# Altium PCB PCB.PcbDoc (part 2 of 2)
Units mm, origin at the board's own origin, x right, y up, seen from the top; angles counter-clockwise.
Board outline 135 x 90 mm, 2 copper layers (Top Layer, Bottom Layer); 93 components, 90 nets, 362 pads, 222 vias.
Unrouted connection lines stored in the file: 4.
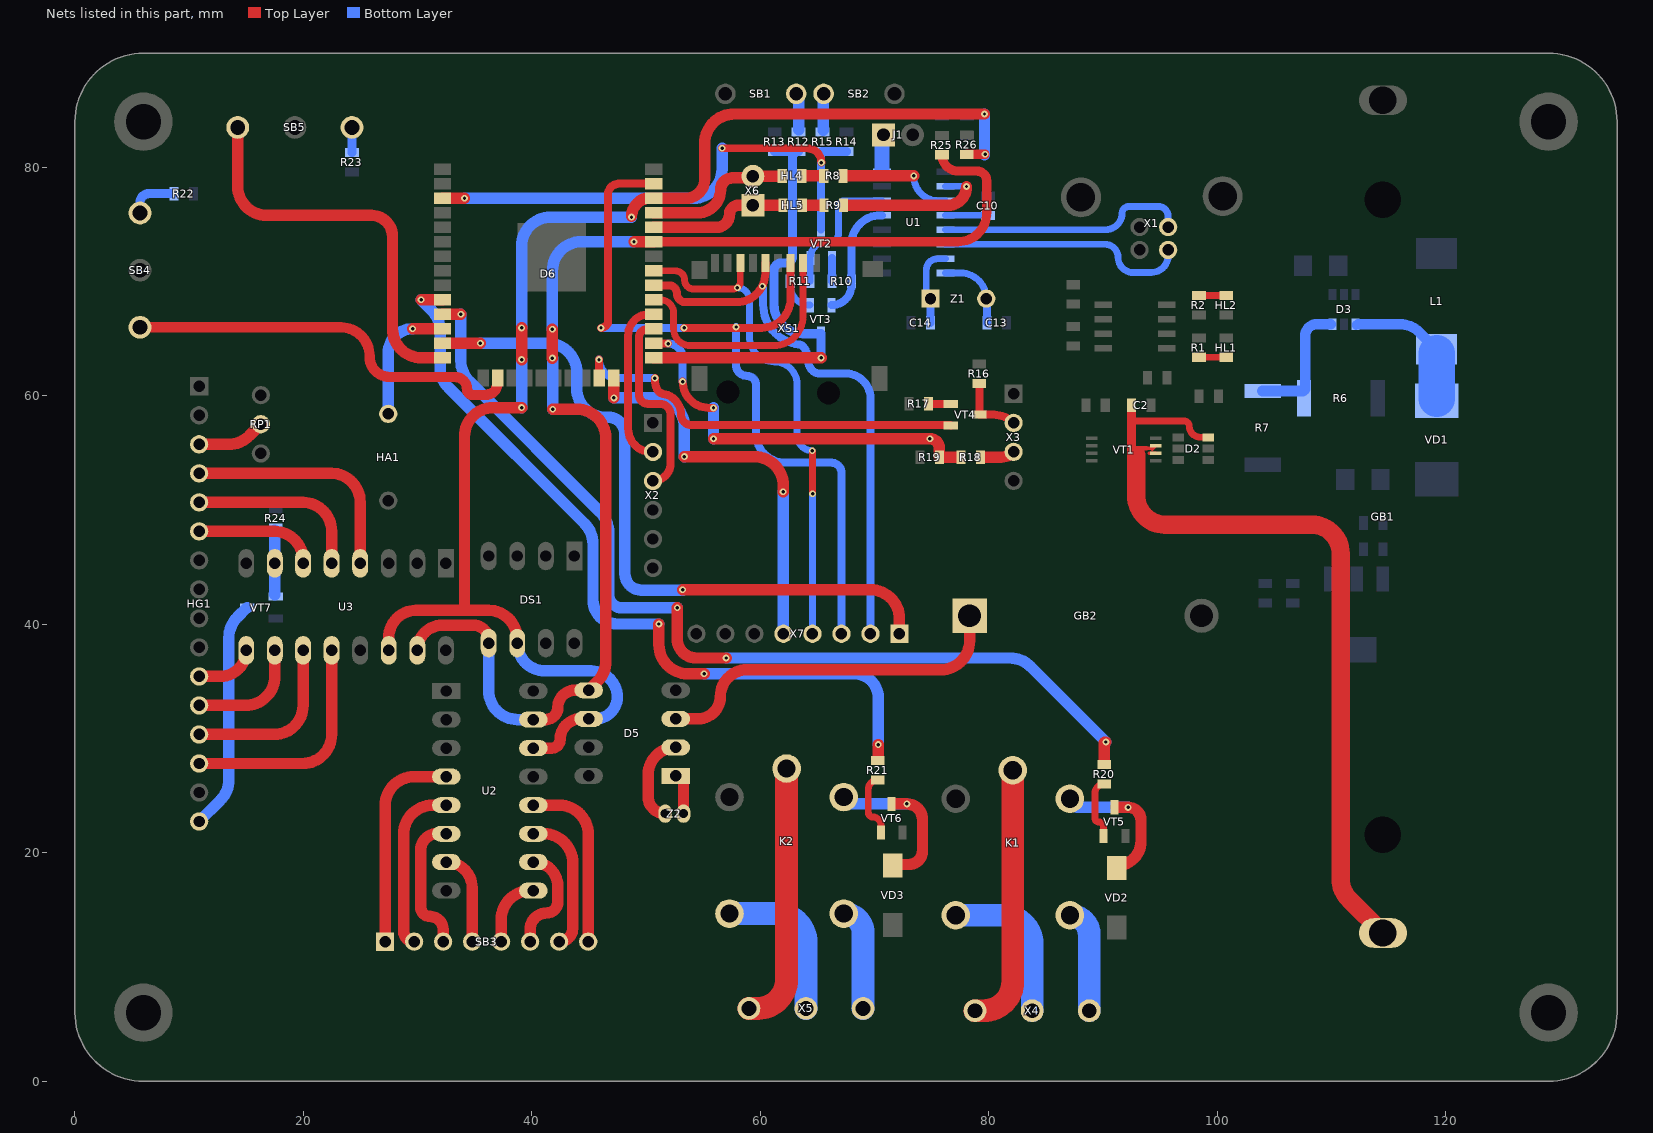
[diagram p2: the nets of this part, all layers, seen from the top]

## Via types
v1: diameter 0.6, hole 0.3, Top Layer to Bottom Layer, 159 vias
v2: diameter 0.6, hole 0.3, Top Layer to Bottom Layer, tented both sides, 60 vias
v3: diameter 1.2, hole 0.6, Top Layer to Bottom Layer, tented both sides, 3 vias

## Nets (pads, with @x,y where several pads share a name; then routed paths per layer and width w, separated by ;. In a path a pad name is that pad's centre, name@x,y a point inside that pad or via, vN(x,y) a via of type N, cw(c..) or ccw(c..) an arc to the next point about the centre after c; other vN are vias at no path point) (continued)
NetD2_6: D2.6 GB1.1 VT1.2 VT1.3 С2.1 | length 73
  Top Layer w0.3: 94.037,54.975 VT1.2@94.6,54.975 ; 94.037,55.409 94.247,55.409 94.315,55.34 VT1.3@94.6,55.625
  Top Layer w0.4: 92.902,55.407 93.843,55.407
  Top Layer w0.6: 92.5,57.8 97.1,57.8 cw(c97.1,57.35) 97.55,57.35 ccw(c98.525,57.35) 98.525,56.375 D2.6@99.2,56.375
  Top Layer w0.8: 92.5,54.824 92.5,57.8 С2.1@92.5,59.175
  Top Layer w1.6: 92.902,54.797 92.902,51.265 ccw(c95.442,51.265) 95.442,48.725 108.26,48.725 cw(c108.26,46.185) 110.8,46.185 110.8,17.727 ccw(c113.34,17.727) 111.544,15.931 GB1.1@114.5,12.975
NetD3_1: D3.1 L1.1 VD1.1 | length 11.9
  Bottom Layer w0.6: D3.1@112.1,66.275 112.1,66.125 D3.1@112.15,66.075
  Bottom Layer w0.9: D3.1@112.342,66.275 115.948,66.275 cw(c115.948,63.735) 117.744,65.531 L1.1@119.2,64.075
  Bottom Layer w3.2: VD1.1@119.2,59.748 L1.1@119.2,63.735
NetD3_3: D3.3 R6.1 R7.1 | length 11.4
  Bottom Layer w0.6: D3.3@109.964,66.268 D3.3@110.05,66.225
  Bottom Layer w0.9: R6.1@107.6,60.55 ccw(c107.6,60.65) 107.7,60.65 107.7,65.25 cw(c108.725,65.25) 108.725,66.275 D3.3@109.964,66.268
  Bottom Layer w1: R7.1@104,60.425 107.475,60.425 R6.1@107.6,60.55
NetD5_1: D5.1 Z2.2 | length 3.7
  Top Layer w1: D5.1@52.595,26.725 cw(c52.595,26.045) 53.275,26.045 Z2.2@53.275,23.425
NetD5_2: D5.2 Z2.1 | length 8
  Top Layer w1: Z2.1@51.675,23.425 cw(c51.675,24.925) 50.175,24.925 50.175,26.805 cw(c52.595,26.805) D5.2@52.595,29.225
NetD5_3: D5.3 GB2.2 | length 31.8
  Top Layer w1: D5.3@52.595,31.725 54.55,31.725 ccw(c54.55,33.675) 56.5,33.675 cw(c58.85,33.675) 58.85,36.025 75.784,36.025 ccw(c75.784,38.565) 78.324,38.565 GB2.2@78.324,40.75
NetD5_5: D5.5 D6.33 DS1.5 R25.2 U2.15 U3.15 | length 114
  Top Layer w0.8: D6.33@50.675,73.487 77.285,73.487 ccw(c77.285,76.027) 79.825,76.027 79.825,78.8 ccw(c78.95,78.8) 78.95,79.675 77.325,79.675 cw(c77.325,81.1) R25.2@75.9,81.1
  Top Layer w1: U3.15@29.972,37.718 cw(c32.179,37.718) 32.179,39.925 34.875,39.925 cw(c34.875,38.579) 36.221,38.579 DS1.5@36.221,38.359 ; U2.15@40.137,31.663 41.213,31.663 ccw(c41.213,32.725) 42.275,32.725 cw(c43.775,32.725) 43.775,34.225 D5.5@44.975,34.225 45.731,34.981 ccw(c43.935,36.777) 46.475,36.777 46.475,56.285 ccw(c43.935,56.285) 43.935,58.825 v2(41.825,58.825) ; v2(41.8,63.3) v2(41.8,65.825) ; v2(48.944,73.487) D6.33@50.675,73.487
  Bottom Layer w1: DS1.5@36.221,38.359 36.221,34.203 ccw(c38.761,34.203) 38.761,31.663 U2.15@40.137,31.663 ; v2(41.8,65.825) 41.8,70.947 cw(c44.34,70.947) 44.34,73.487 v2(48.944,73.487) ; v2(41.825,58.825) v2@41.825,63.3
NetD5_6: D5.6 D6.36 DS1.6 R26.2 U2.14 U3.14 | length 126.3
  Top Layer w0.8: R26.2@78.075,81.125 cw(c78.1,81.125) 78.1,81.15 v2(79.675,81.15)
  Top Layer w1: U3.14@27.472,37.718 27.472,38.822 cw(c29.875,38.822) 29.875,41.225 34.1,41.225 ; DS1.6@38.721,38.359 38.721,38.685 ccw(c36.181,38.685) 36.181,41.225 34.1,41.225 ; v2(39.1,58.975) 36.64,58.975 ccw(c36.64,56.435) 34.1,56.435 34.1,41.225 ; v2(39.1,63.175) v2(39.1,65.95) ; U2.14@40.137,29.163 41.713,29.163 ccw(c41.713,29.925) 42.475,29.925 cw(c44.275,29.925) 44.275,31.725 D5.6@44.975,31.725 ; v2@48.725,75.7 cw(c50.323,75.7) 49.393,76.999 ccw(c48.811,77.812) 49.466,77.057 cw(c49.925,76.528) 49.798,77.216 ccw(c49.617,78.2) 49.889,77.237 cw(c50.323,75.7) 50.323,77.297 D6.36@50.675,77.297 53.473,77.297 ccw(c53.473,78.95) 55.125,78.95 55.125,82.085 cw(c57.715,82.085) 57.715,84.675 v2(79.625,84.675)
  Bottom Layer w1: DS1.6@38.721,38.359 ccw(c41.155,38.359) 41.155,35.925 45.175,35.925 cw(c45.175,33.625) 47.475,33.625 cw(c45.575,33.625) 45.575,31.725 D5.6@44.975,31.725 ; v2(39.1,58.975) v2(39.1,63.175) ; v2(39.1,65.95) 39.1,73.11 cw(c41.64,73.11) 41.64,75.65 v2(48.725,75.65) ; v2@79.625,81.1 v2(79.625,84.675)
NetD6_3: D6.3 R14.1 R15.1 VT2.3 | length 46.2
  Top Layer w0.7: v2(56.65,81.675) 64.092,81.675 cw(c64.092,80.424) v2(65.343,80.424)
  Top Layer w1: D6.3@32.184,77.297 34.1,77.297 v2(34.1,77.3)
  Bottom Layer w0.7: VT2.3@65.325,74.574 65.325,81.277 cw(c65.445,81.277) 65.327,81.298 cw(c65.445,81.277) 65.332,81.318 cw(c65.445,81.277) 65.341,81.337 cw(c65.445,81.277) 65.353,81.354 cw(c65.445,81.277) 65.368,81.369 cw(c65.445,81.277) 65.385,81.381 cw(c65.445,81.277) 65.404,81.39 cw(c65.445,81.277) 65.424,81.395 cw(c65.445,81.277) R15.1@65.445,81.397
  Bottom Layer w0.8: R15.1@65.445,81.397 R14.1@67.545,81.397
  Bottom Layer w1: v2(34.1,77.3) 54.11,77.3 ccw(c54.11,79.84) 56.65,79.84 v2(56.65,81.675)
NetD6_10: D6.10 R21.1 | length 70
  Top Layer w1: v2(30.308,68.407) D6.10@32.184,68.407 ; v2(51.125,40.025) 51.125,38.215 ccw(c53.665,38.215) 53.665,35.675 v2(55.075,35.675) ; R21.1@70.325,28.239 v2(70.325,29.475)
  Bottom Layer w1: v2(30.308,68.407) 31.231,67.484 cw(c29.435,65.688) 31.975,65.688 31.975,62.45 ccw(c34.389,62.45) 32.682,60.743 44.606,48.819 cw(c42.81,47.023) 45.35,47.023 45.35,42.127 ccw(c47.452,42.127) 47.452,40.025 v2(51.125,40.025) ; v2(55.075,35.675) 68.21,35.675 cw(c68.21,33.56) 70.325,33.56 v2(70.325,29.475)
NetD6_11: D6.11 R20.1 | length 83.9
  Top Layer w1: D6.11@32.184,67.137 v2(33.787,67.137) ; v2(52.725,41.45) 52.725,38.725 ccw(c54.4,38.725) 54.4,37.05 v2(57,37.05) ; R20.1@90.109,27.977 90.109,29.559 cw(c90.25,29.559) v2(90.25,29.7)
  Bottom Layer w1: v2(33.787,67.137) 33.787,63.064 ccw(c36.327,63.064) 34.531,61.268 45.981,49.819 cw(c44.185,48.023) 46.725,48.023 46.725,42.6 ccw(c47.875,42.6) 47.875,41.45 v2(52.725,41.45) ; v2(57,37.05) 81.848,37.05 cw(c81.848,34.51) 83.644,36.306 v2(90.25,29.7)
NetD6_12: D6.12 HA1.1 | length 11.3
  Top Layer w1: v2(29.557,65.867) D6.12@32.184,65.867
  Bottom Layer w1: HA1.1@27.425,58.425 27.425,63.735 cw(c29.557,63.735) v2(29.557,65.867)
NetD6_13: D6.13 X7.1 | length 60.9
  Top Layer w1: D6.13@32.184,64.597 35.5,64.597 v2(35.5,64.6) ; v2(53.2,43.025) 69.64,43.025 cw(c69.64,40.485) 72.18,40.485 X7.1@72.18,39.175
  Bottom Layer w1: v2(35.5,64.6) 41.316,64.6 41.316,64.597 cw(c41.385,63.6) 41.385,64.6 cw(c41.385,62.06) 43.925,62.06 43.925,60.665 ccw(c46.465,60.665) 46.465,58.125 46.675,58.125 cw(c46.675,56.65) 48.15,56.65 48.15,44.425 ccw(c49.575,44.425) 49.575,43 v2@53.2,43
NetD6_14: D6.14 SB5.1 | length 35.1
  Top Layer w1: SB5.1@14.25,83.5 14.25,78.34 ccw(c16.79,78.34) 16.79,75.8 25.95,75.8 cw(c25.95,73.95) 27.8,73.95 27.8,65.867 ccw(c30.34,65.867) 30.34,63.327 D6.14@32.184,63.327
NetD6_16: D6.16 SB4.1 | length 35.8
  Top Layer w0.9: SB4.1@5.7,66 23.26,66 cw(c23.26,63.46) 25.8,63.46 25.8,63.4 ccw(c27.55,63.4) 27.55,61.65 33.275,61.65 cw(c33.275,60.6) 34.325,60.6 ccw(c34.85,60.6) 34.85,60.075 35.825,60.075 ccw(c35.825,61.26) 36.239,60.149 cw(c36.553,59.306) 36.372,60.188 ccw(c36.24,60.824) 36.87,60.663 cw(c37.742,60.44) 36.914,60.794 ccw(c35.825,61.26) 37.01,61.26 D6.16@37.01,61.575
NetD6_23: D6.23 VT4.1 | length 35.9
  Top Layer w0.7: v2(45.875,63.175) 45.875,61.6 ccw(c45.9,61.6) D6.23@45.9,61.575 ; v2(50.775,61.55) 50.775,61.389 ccw(c52.652,61.389) 50.963,60.571 ccw(c51.594,60.873) 51.492,60.18 cw(c51.225,58.375) 52.652,59.512 cw(c51.225,58.375) 53.05,58.375 ccw(c53.975,58.375) 53.975,57.45 54.75,57.45 76.618,57.45 VT4.1@76.672,57.396
  Bottom Layer w0.7: v2(45.875,63.175) ccw(c47.5,63.175) 47.5,61.55 v2@50.725,61.55
NetD6_24: D6.24 X7.5 | length 35.1
  Top Layer w1: D6.24@47.17,61.575 47.17,59.825 v2(47.175,59.825) ; v2(53.35,54.675) 59.48,54.675 cw(c59.48,52.135) 62.02,52.135 ccw(c62.02,52.115) 62,52.115 v2(62,51.6)
  Bottom Layer w1: v2(47.175,59.825) 50.81,59.825 cw(c50.81,57.285) 53.35,57.285 v2(53.35,54.675) ; X7.5@62,39.175 v2(62,51.6)
NetD6_25: D6.25 R12.1 R13.1 VT3.3 | length 39.2
  Top Layer w1: D6.25@50.675,63.327 65.322,63.327 v2(65.325,63.325)
  Bottom Layer w0.8: R13.1@61.25,81.4 63.345,81.4 R12.1@63.345,81.397 ccw(c63.345,80.877) 62.825,80.877 62.825,72.241 cw(c62.209,72.241) 62.209,71.625 61.825,71.625 ccw(c61.825,71) 61.2,71 61.2,67.98 ccw(c63.74,67.98) 63.74,65.44 VT3.3@65.29,65.44 cw(c65.29,65.405) 65.325,65.405 v2(65.325,63.325)
NetD6_26: D6.26 R18.1 R19.2 | length 34.8
  Top Layer w0.7: D6.26@50.675,64.597 ccw(c50.698,64.597) 50.698,64.575 v2(51.925,64.575) ; v2(53.2,61.25) ccw(c55.5,61.25) 55.5,58.95 v2(55.9,58.95)
  Top Layer w1: v2(55.9,56.25) v2(74.85,56.25) cw(c74.85,55.428) 75.672,55.428 R19.2@75.672,54.636 ; R19.2@75.763,54.636 R18.1@77.455,54.636
  Bottom Layer w0.7: v2(51.925,64.575) cw(c51.925,63.3) 53.2,63.3 v2(53.2,61.25)
  Bottom Layer w1: v2(55.9,56.25) v2(55.9,58.95)
NetD6_27: D6.27 X2.3 | length 17.2
  Top Layer w0.7: 49.375,62.795 49.375,60.1 ccw(c50.175,60.1) 50.175,59.3 51.225,59.3 cw(c51.225,58.375) 52.15,58.375 52.15,54.1 cw(c50.6,54.1) X2.3@50.6,52.55 ; 49.375,62.813 cw(c49.925,62.827) 49.375,62.827 49.375,63.828 cw(c49.925,63.828) 49.375,63.841 ; 49.375,63.856 49.375,64.065 ; 49.375,64.083 cw(c49.925,64.097) 49.375,64.097 49.375,65.098 cw(c50.144,65.098) 50.144,65.867 D6.27@50.675,65.867
NetD6_28: D6.28 X2.2 | length 14.8
  Top Layer w0.7: X2.2@50.6,55.09 50.465,55.09 cw(c50.465,57.13) 48.425,57.13 48.425,65.3 cw(c50.263,65.3) 50.263,67.137 D6.28@50.675,67.137
NetD6_29: D6.29 XS1.2 | length 22.1
  Top Layer w0.6: D6.29@50.675,68.407 51.267,68.407 cw(c51.267,67.275) 52.4,67.275 52.4,65.875 ccw(c53.875,65.875) 53.875,64.4 61.194,64.4 ccw(c61.194,66.94) 63.734,66.94 XS1.2@63.734,71.625
NetD6_30: D6.30 X7.2 XS1.5 | length 49.4
  Top Layer w0.7: D6.30@50.675,69.677 51.972,69.677 cw(c51.972,68.95) 52.7,68.95 ccw(c53.45,68.95) 53.45,68.2 57.892,68.2 ccw(c57.892,70.74) 60.432,70.74 XS1.5@60.432,71.625
  Bottom Layer w0.7: v2(60.175,69.6) cw(c59.55,69.284) 60.25,69.284 60.25,67.98 ccw(c63.74,67.98) 61.731,65.126 ccw(c63.74,67.98) 63.336,64.513 cw(c63.255,63.818) 63.826,64.223 cw(c62.074,62.975) 64.225,62.975 ccw(c65.25,62.975) 65.25,61.95 67.475,61.95 cw(c67.475,59.785) 69.64,59.785 X7.2@69.64,39.175
NetD6_31: D6.31 X7.4 XS1.7 | length 44.5
  Top Layer w0.6: D6.31@50.675,70.947 52.552,70.947 cw(c52.552,70.125) 53.375,70.125 ccw(c54.15,70.125) 54.15,69.35 57.6,69.35 ccw(c57.6,69.998) 58.248,69.998 XS1.7@58.248,71.625 ; v2(64.55,55.2) 64.56,55.2 v2@64.56,51.425
  Bottom Layer w0.6: v2(57.996,69.467) cw(c57.996,68.413) 59.05,68.413 59.05,65.175 ccw(c61.25,65.175) 61.25,62.975 cw(c61.25,61) 63.225,61 63.225,56.525 ccw(c64.55,56.525) v2(64.55,55.2) ; X7.4@64.56,39.175 64.56,51.425 v2(64.575,51.425)
NetD6_34: D6.34 HL5.2 X6.1 | length 12.6
  Top Layer w1: D6.34@50.675,74.757 56.183,74.757 ccw(c56.183,75.875) 57.3,75.875 cw(c58.11,75.875) 58.11,76.685 X6.1@59.35,76.685 59.36,76.675 HL5.2@61.873,76.675
  Bottom Layer w1: X6.1@59.35,76.685 X6.1@59.58,76.915
NetD6_35: D6.35 HL4.1 X6.2 | length 13.1
  Top Layer w1: D6.35@50.675,76.027 54.503,76.027 ccw(c54.503,78.05) 56.525,78.05 cw(c57.55,78.05) 57.55,79.075 59.2,79.075 X6.2@59.35,79.225 HL4.1@61.803,79.225
  Bottom Layer w1: X6.2@59.35,79.225 X6.2@59.46,79.115
NetD6_37: D6.37 X7.3 XS1.3 | length 71.6
  Top Layer w0.7: v2(46.05,65.951) ccw(c46.05,66.576) 46.675,66.576 46.675,77.65 cw(c47.593,77.65) 47.593,78.567 D6.37@50.675,78.567 ; v2(53.323,65.951) 60.102,65.951 ccw(c60.102,68.491) 62.642,68.491 XS1.3@62.642,71.625
  Bottom Layer w0.7: v2(46.05,65.951) v2(53.323,65.951) ; v2(57.875,66.025) 57.875,62.7 ccw(c58.825,62.7) 58.825,61.75 cw(c58.825,60.95) 59.625,60.95 59.625,56.69 ccw(c62.165,56.69) 62.165,54.15 66.21,54.15 cw(c66.21,53.26) 67.1,53.26 X7.3@67.1,39.175
NetHG1_3: HG1.3 RP1.2 | length 6
  Top Layer w1: HG1.3@10.872,55.758 13.46,55.758 ccw(c13.46,58.298) 15.256,56.502 RP1.2@16.272,57.518
NetHG1_4: HG1.4 U3.4 | length 20.9
  Top Layer w1: HG1.4@10.872,53.218 22.432,53.218 cw(c22.432,50.678) 24.972,50.678 U3.4@24.972,45.338
NetHG1_5: HG1.5 U3.5 | length 15.8
  Top Layer w1: HG1.5@10.872,50.678 19.932,50.678 cw(c19.932,48.138) 22.472,48.138 U3.5@22.472,45.338
NetHG1_6: HG1.6 U3.6 | length 10.8
  Top Layer w1: HG1.6@10.872,48.138 17.432,48.138 cw(c17.432,45.598) 19.972,45.598 U3.6@19.972,45.338
NetHG1_11: HG1.11 U3.9 | length 5.4
  Top Layer w1: HG1.11@10.872,35.438 12.717,35.438 ccw(c12.717,37.718) U3.9@14.997,37.718
NetHG1_12: HG1.12 U3.10 | length 10.3
  Top Layer w1: HG1.12@10.872,32.898 14.957,32.898 ccw(c14.957,35.438) 16.308,33.287 ccw(c15.778,34.134) 16.485,33.427 16.967,33.91 ccw(c16.26,34.617) 17.105,34.081 ccw(c14.957,35.438) 17.497,35.438 U3.10@17.497,37.718
NetHG1_13: HG1.13 U3.11 | length 15.4
  Top Layer w1: HG1.13@10.872,30.358 17.432,30.358 ccw(c17.432,32.898) 19.972,32.898 U3.11@19.972,37.718
NetHG1_14: HG1.14 U3.12 | length 20.4
  Top Layer w1: HG1.14@10.872,27.818 19.932,27.818 ccw(c19.932,30.358) 22.472,30.358 U3.12@22.472,37.718
NetHG1_16: HG1.16 VT7.3 | length 20.5
  Bottom Layer w1: HG1.16@11.136,22.738 HG1.16@10.872,22.738 12.731,24.597 ccw(c10.935,26.393) 13.475,26.393 13.475,38.818 cw(c16.015,38.818) 14.219,40.614 VT7.3@15.073,41.468
NetHL1_2: HL1.2 R1.1 | length 2.4
  Top Layer w0.6: R1.1@98.4,63.375 HL1.2@100.8,63.375
NetHL2_2: HL2.2 R2.1 | length 2.4
  Top Layer w0.6: R2.1@98.4,68.775 HL2.2@100.8,68.775
NetHL4_2: HL4.2 R8.1 | length 1.7
  Top Layer w1: HL4.2@63.729,79.25 R8.1@65.432,79.25
NetHL5_1: HL5.1 R9.1 | length 1.7
  Top Layer w1: HL5.1@63.777,76.675 R9.1@65.474,76.675
NetJ1_1: J1.1 U1.16 | length 2.9
  Bottom Layer w0.9: J1.1@70.669,82.733 J1.1@70.785,82.85
  Bottom Layer w1.3: 70.65,80.775 70.652,80.775 ; 70.652,79.961 70.652,80.775 ; J1.1@70.652,82.733 70.652,80.775
NetK1_1: K1.1 VD2.1 VT5.3 | length 14
  Top Layer w0.6: VD2.1@91,18.875 ccw(c91.2,18.875) VD2.1@91.2,18.675
  Top Layer w1: VD2.1@91,18.875 91.175,18.875 ccw(c91.175,21.025) 93.325,21.025 93.325,22.85 ccw(c92.2,22.85) v2(92.2,23.975) VT5.3@91.15,23.975
  Bottom Layer w1: K1.1@87.1,24.725 ccw(c87.851,24.725) 87.851,23.975 v2(92.2,23.975)
NetK1_3: K1.3 X4.3 | length 23.3
  Top Layer w2: X4.3@78.8,6.175 79.559,6.175 ccw(c79.559,8.715) 82.099,8.715 K1.3@82.099,27.225
NetK1_4: K1.4 X4.1 | length 9.3
  Bottom Layer w2: K1.4@87.1,14.525 cw(c87.1,12.825) 88.8,12.825 X4.1@88.8,6.175
NetK1_5: K1.5 X4.2 | length 14
  Bottom Layer w2: K1.5@77.1,14.525 81.26,14.525 cw(c81.26,11.985) 83.8,11.985 X4.2@83.8,6.175
NetK2_1: K2.1 VD3.1 VT6.3 | length 15.4
  Top Layer w0.6: VD3.1@71.5,18.975 ccw(c71.6,18.975) VD3.1@71.6,18.875
  Top Layer w1: VD3.1@71.5,18.975 73,18.975 ccw(c73,20.175) 74.2,20.175 74.2,22.9 ccw(c72.825,22.9) v2(72.825,24.275) VT6.3@71.691,24.275
  Bottom Layer w1: K2.1@67.301,24.875 ccw(c67.902,24.875) 67.902,24.275 v2(72.825,24.275)
NetK2_3: K2.3 X5.3 | length 23.2
  Top Layer w2: X5.3@59,6.375 59.76,6.375 ccw(c59.76,8.915) 62.3,8.915 K2.3@62.3,27.375
NetK2_4: K2.4 X5.1 | length 9.3
  Bottom Layer w2: K2.4@67.301,14.675 cw(c67.301,12.976) 69,12.976 X5.1@69,6.375
NetK2_5: K2.5 X5.2 | length 13.9
  Bottom Layer w2: K2.5@57.301,14.675 61.46,14.675 cw(c61.46,12.135) 64,12.135 X5.2@64,6.375
NetR8_2: R8.2 U1.3 | length 10.1
  Top Layer w1: R8.2@67.377,79.25 v2(73.425,79.25)
  Bottom Layer w0.6: v2(73.425,79.25) ccw(c75.601,79.25) 75.601,77.073 U1.3@76.202,77.073
NetR9_2: R9.2 U1.2 | length 13.5
  Top Layer w1: R9.2@67.392,76.675 76.4,76.675 ccw(c76.4,78.325) v2(78.05,78.325)
  Bottom Layer w0.6: U1.2@76.202,78.343 78.031,78.343 cw(c78.031,78.325) v2(78.05,78.325)
NetR10_1: R10.1 U1.13 VT3.1 | length 10.1
  Bottom Layer w0.7: VT3.1@66.24,67.939 ccw(c66.24,69.674) R10.1@67.975,69.674 ; R10.1@67.975,70.024 67.975,73.263 cw(c70.515,73.263) 70.515,75.803 U1.13@70.652,75.803
NetR10_2: R10.2 VT2.2 | length 2.1
  Bottom Layer w0.7: R10.2@66.275,70.024 VT2.2@66.275,72.075
NetR11_1: R11.1 U1.14 VT2.1 | length 12.2
  Bottom Layer w0.6: R11.1@64.325,70.024 ccw(c64.325,70.074) 64.375,70.074 VT2.1@64.375,72.075 cw(c65.775,72.075) 65.426,73.43 cw(c65.574,72.849) 65.576,73.449 65.675,73.449 ccw(c65.675,73.949) 65.782,73.461 cw(c65.911,72.875) 65.913,73.475 66.125,73.475 ccw(c66.125,74.2) 66.85,74.2 66.85,76.55 cw(c67.374,76.55) 67.374,77.073 U1.14@70.652,77.073
NetR11_2: R11.2 VT3.2 | length 3.1
  Bottom Layer w0.6: R11.2@62.625,70.024 62.625,69.654 ccw(c64.34,69.654) VT3.2@64.34,67.939
NetR12_2: R12.2 SB1.1 | length 3.2
  Bottom Layer w1: SB1.1@63.141,86.439 63.345,86.235 63.345,84.979 ; 63.325,85 cw(c63.325,84.979) 63.345,84.979 ; R12.2@63.345,83.309 63.345,84.979
NetR15_2: R15.2 SB2.1 | length 3.2
  Bottom Layer w1: R15.2@65.5,83.232 SB2.1@65.5,86.439
NetR16_1: R16.1 VT4.3 X3.2 | length 5.9
  Top Layer w0.7: VT4.3@79.171,58.346 80.457,58.346 cw(c80.457,55.922) X3.2@82.172,57.636 ; VT4.3@79.172,58.347 R16.1@79.172,61.096
NetR17_1: R17.1 VT4.2 | length 2
  Top Layer w0.7: R17.1@74.722,59.296 VT4.2@76.672,59.296
NetR18_2: R18.2 X3.3 | length 3.1
  Top Layer w1: R18.2@79.378,54.636 81.061,54.636 ccw(c81.061,56.207) X3.3@82.172,55.096 ccw(c82.075,55) X3.3@82.075,55.136
  Bottom Layer w1: X3.3@82.075,55.136 cw(c82.075,55) X3.3@82.172,55.096
NetR20_2: R20.2 VT5.2 | length 5.4
  Top Layer w0.6: VT5.2@90.05,21.475 90.05,22.25 ccw(c89.6,22.25) 89.6,22.701 cw(c89.6,23) 89.3,23 89.3,25.225 cw(c90.1,25.225) R20.2@90.1,26.025
NetR21_2: R21.2 VT6.2 | length 5.7
  Top Layer w0.6: R21.2@70.275,26.375 ccw(c70.275,25.55) 69.45,25.55 69.45,23.55 ccw(c69.875,23.55) 69.875,23.125 cw(c69.875,22.45) 70.55,22.45 VT6.2@70.55,21.775
NetR22_1: R22.1 SB4.3 | length 4.3
  Bottom Layer w0.8: SB4.3@5.7,76 5.7,76.925 cw(c6.475,76.925) 6.475,77.7 R22.1@8.675,77.7
NetR23_1: R23.1 SB5.3 | length 2.2
  Bottom Layer w0.8: R23.1@24.25,81.3 SB5.3@24.25,83.5
NetR24_2: R24.2 U3.7 VT7.2 | length 5.6
  Bottom Layer w1: VT7.2@17.497,42.599 U3.7@17.497,45.338 R24.2@17.497,48.237
NetSB3_1: SB3.1 U2.4 | length 18.7
  Top Layer w1: SB3.1@27.152,12.218 27.152,24.123 cw(c29.692,24.123) 29.692,26.663 U2.4@32.517,26.663
NetSB3_2: SB3.2 U2.5 | length 15.1
  Top Layer w1: SB3.2@29.692,12.218 cw(c29.692,13.135) 28.775,13.135 28.775,21.623 cw(c31.315,21.623) 31.315,24.163 U2.5@32.517,24.163
NetSB3_3: SB3.3 U2.6 | length 12.2
  Top Layer w1: SB3.3@32.232,12.218 32.232,13.268 ccw(c31.075,13.268) 31.075,14.425 cw(c31.075,15.225) 30.275,15.225 30.275,20.225 cw(c31.713,20.225) 31.713,21.663 U2.6@32.517,21.663
NetSB3_4: SB3.4 U2.7 | length 8.3
  Top Layer w1: U2.7@32.517,19.188 cw(c32.517,16.933) 34.772,16.933 SB3.4@34.772,12.218
NetSB3_5: SB3.5 U2.9 | length 6.2
  Top Layer w1: SB3.5@37.312,12.218 37.312,14.148 cw(c39.852,14.148) 39.852,16.688 U2.9@40.137,16.688
NetSB3_6: SB3.6 U2.10 | length 9.6
  Top Layer w1: SB3.6@39.852,12.218 39.852,13.302 cw(c41.275,13.302) 41.275,14.725 ccw(c41.275,15.725) 42.275,15.725 42.275,17.05 ccw(c40.137,17.05) U2.10@40.137,19.188
NetSB3_7: SB3.7 U2.11 | length 12.5
  Top Layer w1: U2.11@40.137,21.663 41.035,21.663 cw(c41.035,19.123) 43.575,19.123 43.575,13.401 cw(c42.392,13.401) SB3.7@42.392,12.218
NetSB3_8: SB3.8 U2.12 | length 15.7
  Top Layer w1: U2.12@40.137,24.163 42.392,24.163 cw(c42.392,21.623) 44.932,21.623 SB3.8@44.932,12.218
NetU1_4: U1.4 С10.2 | length 3.7
  Bottom Layer w0.6: U1.4@76.202,75.803 79.925,75.803 С10.2@79.925,75.8
NetU1_5: U1.5 X1.3 | length 22.1
  Bottom Layer w0.6: U1.5@76.202,74.543 90.219,74.543 ccw(c90.219,76) 91.675,76 cw(c92.25,76) 92.25,76.575 94.85,76.575 cw(c94.85,75.725) 95.7,75.725 X1.3@95.7,74.775
NetU1_6: U1.6 X1.2 | length 22.3
  Bottom Layer w0.6: U1.6@76.202,73.273 90.151,73.273 cw(c90.151,72.1) 91.325,72.1 ccw(c92.625,72.1) 92.625,70.8 94.225,70.8 ccw(c94.225,72.275) 95.7,72.275 X1.2@95.7,72.775
NetU1_7: U1.7 Z1.1 С14.1 | length 7.1
  Bottom Layer w0.6: Z1.1@74.9,68.512 cw(c74.9,68.887) 74.525,68.887 74.525,71.012 cw(c75.516,71.012) 75.516,72.003 U1.7@76.202,72.003
  Bottom Layer w0.7: Z1.1@74.9,68.512 74.9,66.387 С14.1@74.902,66.387
NetU1_8: C13.1 U1.8 Z1.2 | length 7
  Bottom Layer w0.6: U1.8@76.202,70.753 77.536,70.753 cw(c77.536,68.512) Z1.2@79.777,68.512
  Bottom Layer w0.7: Z1.2@79.777,68.512 cw(c79.777,68.437) 79.852,68.437 C13.1@79.852,66.387
pads on no net: D2.4 D3.6 D4.4 D5.7 D6.4 D6.5 D6.6 D6.7 D6.8 D6.9 D6.17 D6.18 D6.19 D6.20 D6.21 D6.22 D6.32 GB1. HG1.7 HG1.8 HG1.9 HG1.10 U1.9 U1.10 U1.11 U1.12 U1.15 U2.13 U3.13 VT1.1 VT1.8 X2.5 X2.6 X7.7 XS1. XS1.1 XS1.8 XS1.9

## Polygon pours and split planes (outlines as drawn)
GND on Top Layer "Bottom Layer GND" (solid, remove dead copper, pour order 15): -1,90 -1,0 136,0 136,90
NetD2_6 on Top Layer "N" (solid, remove dead copper, pour order 7): 93.702,54.827 93.707,54.827 93.707,57.8 92.655,57.8 92.655,55.651
GND on Bottom Layer "Bottom Layer GND" (solid, remove dead copper, pour order 14): -1,90 -1,0 136,0 136,90

## Keep-outs
Top Layer:
  region: 93.694,56.189
Keep-Out Layer:
  lines w0.5: 27.6,90.019 27.6,80.8 53.95,80.8 53.95,90
  lines w1: 0,6 ccw(c6,6) 6,0 129,0 ccw(c129,6) 135,6 135,84 ccw(c129,84) 129,90 6,90 ccw(c6,84) 0,84 0,6

## Other copper
Top Layer:
  rectangle net NetD2_6: 92.319,54.824 95.097,55.783
  rectangle net NetD1_4: 94.799,67.98 96.354,69.405
  region net NetD2_6: 93.833,56.403
  region net NetD2_6: 68.187,89.184
  region net NetD2_6: 68.187,89.184
  region net NetD2_6: 93.6,58.875
Bottom Layer:
  rectangle net NetD1_5: 109.751,68.375 111.447,70.775

## Silkscreen, mask and mechanical layers (free items; w line width, h text height)
Top Overlay:
  text "BOOT" at 56.8,83.2 h2
  text "RESET" at 65.541,83.1 h2
  text "GND" at 29.272,79.345 h1
  text "GND" at 51.622,79.32 h1
  text "3V3" at 29.372,78.095 h1
  text "IO23" at 51.647,78.045 h1
  text "TX / <<" at 55.241,78.015 h2
  text "EN" at 29.372,76.82 h1
  text "IO22" at 51.622,76.795 h1
  text "VP" at 29.372,75.52 h1
  text "TX0" at 51.622,75.52 h1
  text "RX / >>" at 55.238,75.315 h2
  text "VN" at 29.379,74.265 h1
  text "RX0" at 51.622,74.27 h1
  text "IO34" at 29.372,72.985 h1
  text "IO21" at 51.622,72.995 h1
  text "IO35" at 29.372,71.72 h1
  text "NC" at 51.622,71.72 h1
  text "IO32" at 29.372,70.445 h1
  text "IO19" at 51.622,70.445 h1
  text "IO33" at 29.372,69.195 h1
  text "IO18" at 51.622,69.195 h1
  text "IO5" at 51.597,67.92 h1
  text "IO25" at 29.379,67.902 h1
  text "IO26" at 29.372,66.67 h1
  text "IO17" at 51.612,66.64 h1
  text "IO16" at 51.639,65.396 h1
  text "IO27" at 29.385,65.375 h1
  text "IO14" at 29.38,64.109 h1
  text "IO4" at 51.63,64.101 h1
  text "IO12" at 29.38,62.833 h1
  text "IO0" at 51.612,62.834 h1
  text "GND" at 35.21,60.612 h1 r270
  text "IO13" at 36.48,60.619 h1 r270
  text "SD2" at 37.755,60.619 h1 r270
  text "SD3" at 39.03,60.619 h1 r270
  text "CMD" at 40.297,60.615 h1 r270
  text "CLK" at 41.58,60.619 h1 r270
  text "SD0" at 42.849,60.625 h1 r270
  text "SD1" at 44.111,60.619 h1 r270
  text "IO15" at 45.361,60.619 h1 r270
  text "IO2" at 46.661,60.619 h1 r270
Внутренние Вырезы:
  the board outline again, w1
Mechanical 7:
  text "BOASFORMAT|А4|1|0|883070867|82677165|1000000000|1:1|" at -252.3,2525.175 h0
  text "BOASFORMAT|А4|2|82677165|883070867|165354330|1000000000|1:1|" at -42.3,2525.175 h0
  text "BOASFORMAT|А4|3|165354330|883070867|248031495|1000000000|1:1|" at 167.7,2525.175 h0
  text "DimV|472441|-35433071|152460628|984970582|6899607|-35147638|1||||js12|False|False|False|False" at 134.23,2486.849 h0
  text "DimH|-53169291|78741|155698817|951791448|393701|-6171259|1||||js12|False|False|False|False" at 143.046,2398.02 h0
  text "SET|63|64|65|67|68|69|0,18|0,6|0,18|0,6|0,6|True|1|1|4|2|True|True|True|False|2,2|50|4|100|Rz 160|False|False|57|58|True|False|False|1|ISOCPEUR|False|2|2.5|False|12|5|2" at -252.3,-14.8 h0
  text "TT0011#7. В качестве покрытия контактных площадок использовать оловянно-свинцовый припой ПОС-63" at -252.3,-14.825 h0
  text "TT0010#6. Высота шрифта маркировки 2 мм, но допускаются отклонения" at -252.3,-14.825 h0
  text "TT0009#" at -252.3,-14.825 h0
  text "TT0008#5. Переходные отверстия должны находиться под защитной маской" at -252.3,-14.825 h0
  text "TT0007#" at -252.3,-14.825 h0
  text "TT0006#4. Производство выполнять с учётом требований 4 класса точности" at -252.3,-14.825 h0
  text "TT0005#" at -252.3,-14.825 h0
  text "TT0004#3. В качестве механической обработки использовать фрезерование" at -252.3,-14.825 h0
  text "TT0003#" at -252.3,-14.825 h0
  text "TT0002#2. Плату изготовить комбинативным методом" at -252.3,-14.825 h0
  text "TT0001#" at -252.3,-14.825 h0
  text "TT0000#1. Размеры для справок" at -252.3,-14.825 h0
  text "STAMP|Проверил|Кинчин Е.В." at -252.3,-14.825 h0
  text "STAMP|Обозначение|ПРИЛОЖЕНИЕ Б" at -252.3,-14.825 h0
  text "STAMP|Организация|ТИУ МПК КСт-16-(9)-2" at -252.3,-14.825 h0
  text "STAMP|Наименование1|Система контроля и упраления доступом" at -252.3,-14.825 h0
  text "STAMP|Наименование2|Дипломная работа" at -252.3,-14.825 h0
  text "STAMP|Материал1|Стеклотекстолит FR4" at -252.3,-14.825 h0
  text "STAMP|Разработал|Кулаков М.И" at -252.3,-14.825 h0
  text "BOASVIADRILLTABLE:none,118110,219|none,236220,3" at -252.3,-14.825 h0
  text "2BOASDRILLTABLE:none,314961,есть,2,True|none,393700,есть,6,False|circle0001,393701,есть,95,True|circle1000,433071,есть,4,True|circle0100,472441,есть,4,True|circle0010,511820,есть,12,True|circle0101,629920,есть,10,True|none,787402,есть,4,True|none,944882,есть,2,True|circle1001,984260,есть,2,True|none,1220472,есть,4,True|none,1259843,есть,2,False" at -252.3,-14.825 h0
Mechanical 8:
  region: 151.847,2396.942 152.494,2398.634 152.985,2402.349 151.851,2402.349 151.85,2401.418 152.413,2401.849 151.758,2396.942
  region: 151.663,2396.942 151.016,2398.634 150.525,2402.349 151.659,2402.349 151.66,2401.418 151.097,2401.849 151.752,2396.942
  region: 151.663,2486.757 151.016,2485.065 150.525,2481.35 151.659,2481.349 151.66,2482.281 151.097,2481.849 151.752,2486.757
  region: 151.847,2486.757 152.494,2485.065 152.985,2481.35 151.851,2481.349 151.85,2482.281 152.413,2481.849 151.758,2486.757
  region: 142.953,2382.437 141.261,2383.084 137.546,2383.575 137.546,2382.441 138.478,2382.44 138.046,2383.003 142.953,2382.348
  region: 142.953,2382.253 141.261,2381.606 137.546,2381.115 137.546,2382.249 138.478,2382.25 138.046,2381.687 142.953,2382.342
  region: 8.088,2382.253 9.781,2381.606 13.495,2381.115 13.496,2382.249 12.564,2382.25 12.996,2381.687 8.088,2382.342
  region: 8.088,2382.437 9.781,2383.084 13.495,2383.575 13.496,2382.441 12.564,2382.44 12.996,2383.003 8.088,2382.348
Mechanical 9:
  region: 151.755,2396.849 151.097,2401.849 151.755,2401.349 152.413,2401.849
  region: 151.755,2486.849 152.413,2481.849 151.755,2482.349 151.097,2481.849
  region: 143.046,2382.345 138.046,2381.687 138.546,2382.345 138.046,2383.003
  region: 7.996,2382.345 12.996,2383.003 12.496,2382.345 12.996,2381.687
  lines w0.18: 7.996,2381.345 7.996,2398.22 ; 7.996,2382.345 143.046,2382.345 ; 134.23,2396.849 152.755,2396.849 ; 135.43,2486.849 152.755,2486.849 ; 143.046,2381.345 143.046,2398.02 ; 151.755,2396.849 151.755,2486.849
  text "90 мм" at 149.225,2439.425 h7.68 r90
  text "135 мм" at 68.55,2384.875 h7.68
Top 3D Модели:
  lines w0.18: -252.3,2228.175 -252.3,2525.175 -42.3,2525.175 167.7,2525.175 377.7,2525.175 ; -232.45,2293.075 -167.45,2293.075 ; -232.3,2238.175 -167.3,2238.175 ; -232.3,2243.175 -167.3,2243.175 ; -232.3,2248.175 -167.3,2248.175 ; -232.3,2253.175 -167.3,2253.175 ; -232.3,2258.175 -167.3,2258.175 ; -232.3,2273.175 -167.3,2273.175 ; -232.3,2278.175 -167.3,2278.175 ; -232.3,2283.175 -167.3,2283.175 ; -92.34,2253.175 -92.34,2268.175 ; -87.32,2253.175 -87.32,2268.175 ; -22.3,2243.175 42.7,2243.175 ; 187.7,2243.175 252.7,2243.175
  lines w0.6: -244.3,2258.175 -232.3,2258.175 ; -244.3,2293.175 -232.3,2293.175 ; -244.3,2318.175 -232.3,2318.175 ; -244.3,2343.175 -232.3,2343.175 ; -244.3,2460.175 -232.3,2460.175 ; -239.3,2233.175 -239.3,2378.175 ; -239.3,2400.175 -239.3,2520.175 ; -232.3,2263.175 -167.3,2263.175 ; -232.3,2268.175 -167.3,2268.175 ; -232.3,2298.175 -47.3,2298.175 ; -232.3,2378.175 -244.3,2378.175 -244.3,2233.175 -232.3,2233.175 ; -232.3,2400.175 -244.3,2400.175 -244.3,2520.175 -232.3,2520.175 ; -232.3,2506.175 -162.3,2506.175 -162.3,2520.175 ; -225.35,2273.05 -225.35,2298.05 ; -225.3,2263.175 -225.3,2288.175 ; -215.3,2233.175 -215.3,2288.175 ; -215.3,2243.05 -215.3,2298.05 ; -192.3,2233.175 -192.3,2288.175 ; -192.3,2243.1 -192.3,2298.1 ; -177.3,2233.175 -177.3,2288.175 ; -177.3,2243.05 -177.3,2298.05 ; -167.3,2233.175 -167.3,2288.175 -47.3,2288.175 ; -167.3,2243.175 -167.3,2298.175 ; -167.3,2248.175 -97.3,2248.175 -47.3,2248.175 ; -167.3,2273.175 -47.3,2273.175 ; -97.3,2233.175 -97.3,2273.175 ; -97.3,2253.175 -47.3,2253.175 ; -97.3,2268.175 -82.3,2268.175 -47.3,2268.175 ; -82.3,2253.175 -82.3,2273.175 ; -76.73,2248.175 -76.73,2253.175 ; -65.3,2253.175 -65.3,2273.175 ; -47.3,2296.175 -47.3,2288.175 ; -34.3,2258.175 -22.3,2258.175 ; -34.3,2293.175 -22.3,2293.175 ; -34.3,2318.175 -22.3,2318.175 ; -34.3,2343.175 -22.3,2343.175 ; -29.3,2233.175 -29.3,2378.175 ; -22.3,2238.175 -15.3,2238.175 -5.3,2238.175 17.7,2238.175 32.7,2238.175 42.7,2238.175 ; -22.3,2378.175 -34.3,2378.175 -34.3,2233.175 -22.3,2233.175 ; -22.3,2506.175 47.7,2506.175 47.7,2520.175 ; -15.3,2233.175 -15.3,2248.175 ; -5.3,2233.175 -5.3,2248.175 ; 17.7,2233.175 17.7,2248.175 ; 32.7,2233.175 32.7,2248.175 ; 42.7,2233.175 42.7,2248.175 ; 152.7,2233.175 152.7,2248.175 ; 152.7,2241.175 162.7,2241.175 ; 162.7,2248.175 -22.3,2248.175 -22.3,2233.175 ; 175.7,2258.175 187.7,2258.175 ; 175.7,2293.175 187.7,2293.175 ; 175.7,2318.175 187.7,2318.175 ; 175.7,2343.175 187.7,2343.175 ; 180.7,2233.175 180.7,2378.175 ; 187.7,2238.175 194.7,2238.175 204.7,2238.175 227.7,2238.175 242.7,2238.175 252.7,2238.175 ; 187.7,2378.175 175.7,2378.175 175.7,2233.175 187.7,2233.175 ; 187.7,2506.175 257.7,2506.175 257.7,2520.175 ; 194.7,2233.175 194.7,2248.175 ; 204.7,2233.175 204.7,2248.175 ; 227.7,2233.175 227.7,2248.175 ; 242.7,2233.175 242.7,2248.175 ; 252.7,2233.175 252.7,2248.175 ; 362.7,2233.175 362.7,2248.175 ; 362.7,2241.175 372.7,2241.175 ; 372.7,2248.175 187.7,2248.175 187.7,2233.175 ; -232.3,2233.175 -232.3,2288.175 -47.3,2288.175 ; -232.3,2233.175 -47.3,2233.175 -47.3,2520.175 -232.3,2520.175 ; -232.3,2233.175 -232.3,2520.175 ; -22.3,2233.175 162.7,2233.175 162.7,2520.175 -22.3,2520.175 -22.3,2233.175 ; 187.7,2233.175 372.7,2233.175 372.7,2520.175 187.7,2520.175 187.7,2233.175
  text "Перв. примен." at -240.791,2480.89 h3.84 r90
  text "1. Размеры для справок / 2. Плату изготовить комбинативным методом / 3. В качестве механической обработки использовать фрезерование / 4. Производство выполнять с учётом требований 4 класса точности / 5. Переходные отверстия должны находиться под защитной маской / 6. Высота шрифта маркировки 2 мм, но допускаются отклонения / 7. В качестве покрытия контактных площадок использовать оловянно-свинцовый припой ПОС-63" at -219.35,2449.8 h7
  text "Справ. №" at -240.791,2424.119 h3.84 r90
  text "Подп. и дата" at -240.791,2352.491 h3.84 r90
  text "Подп. и дата" at -30.791,2352.491 h3.84 r90
  text "Подп. и дата" at 179.209,2352.491 h3.84 r90
  text "Инв. № дубл." at -240.791,2322.795 h3.84 r90
  text "Инв. № дубл." at -30.791,2322.295 h3.84 r90
  text "Инв. № дубл." at 179.209,2322.295 h3.84 r90
  text "Взам. инв. №" at -240.791,2298.144 h3.84 r90
  text "Взам. инв. №" at -30.791,2298.144 h3.84 r90
  text "Взам. инв. №" at 179.209,2298.144 h3.84 r90
  text "ПРИЛОЖЕНИЕ Б" at -127.7,2291.775 h8
  text "Дипломная работа" at -146.15,2278.65 h12
  text "Лит." at -92.327,2269.666 h3.84
  text "Масса" at -77.086,2269.666 h3.84
  text "Масштаб" at -61.506,2269.666 h3.84
  text "Подп. и дата" at -240.791,2268.991 h3.84 r90
  text "Подп. и дата" at -30.791,2268.991 h3.84 r90
  text "Подп. и дата" at 179.209,2268.991 h3.84 r90
  text "Изм." at -231.174,2264.666 h3.84
  text "Лист" at -223.13,2264.666 h3.84
  text "№ докум." at -209.106,2264.666 h3.84
  text "Подп." at -187.831,2264.666 h3.84
  text "Дата" at -175.534,2264.666 h3.84
  text "Разраб." at -230.925,2259.3 h3.84
  text "Кулаков М.И" at -214.125,2259.075 h3.84
  text "48 г" at -78.041,2258.656 h7.68
  text "1:1" at -58.525,2258.656 h7.68
  text "Система контроля и  / упраления доступом" at -157.375,2256.575 h7
  text "Кинчин Е.В." at -213.975,2254.55 h3.84
  text "Пров." at -230.925,2254.05 h3.84
  text "Т.контр." at -230.925,2249.225 h3.84
  text "Лист" at -95.858,2248.946 h3.84
  text "56" at -82.604,2248.946 h3.84
  text "Листов" at -74.815,2248.946 h3.84
  text "66" at -54.805,2248.946 h3.84
  text "Лист" at 154.87,2242.675 h3.84
  text "Лист" at 364.87,2242.675 h3.84
  text "Ахатова Р.Ф." at -214.125,2239.675 h3.84
  text "Стеклотекстолит FR4" at -154.7,2239.275 h6.14
  text "Н.контр." at -230.7,2239.175 h3.84
  text "Дипломная работа" at 62.9,2238.525 h12
  text "Дипломная работа" at 272.275,2237.9 h12
  text "Инв. № подл." at -240.791,2237.795 h3.84 r90
  text "Инв. № подл." at -30.791,2237.795 h3.84 r90
  text "Инв. № подл." at 179.209,2237.795 h3.84 r90
  text "ТИУ МПК  / КСт-16-(9)-2" at -96.468,2236.225 h6.74
  text "57" at 157.195,2235.175 h3.84
  text "58" at 367.195,2235.175 h3.84
  text "Изм." at -21.174,2234.175 h3.84
  text "Лист" at -13.13,2234.175 h3.84
  text "№ докум." at 0.444,2234.175 h3.84
  text "Подп." at 22.169,2234.175 h3.84
  text "Дата" at 34.466,2234.175 h3.84
  text "Изм." at 188.826,2234.175 h3.84
  text "Лист" at 196.87,2234.175 h3.84
  text "№ докум." at 210.444,2234.175 h3.84
  text "Подп." at 232.169,2234.175 h3.84
  text "Дата" at 244.466,2234.175 h3.84
  text "Утв." at -230.475,2234.15 h3.84
  text "Копировал" at -156.767,2228.946 h3.84
  text "Формат" at -86.767,2228.946 h3.84
  text "А4" at -64.816,2228.946 h3.84
  text "Копировал" at 53.233,2228.946 h3.84
  text "Формат" at 123.233,2228.946 h3.84
  text "А4" at 145.184,2228.946 h3.84
  text "Копировал" at 263.233,2228.946 h3.84
  text "Формат" at 333.233,2228.946 h3.84
  text "А4" at 355.184,2228.946 h3.84

## Dimensions
0,84 to 135,84 on Размеры
6,0 to 6,90 on Размеры

## Text inside footprints (layer, text, board x,y; h text height)
Designator1: Mechanical 7 "Б(1)" at 69.719,2363.7 h15.36; Mechanical 7 "132" at 140.527,2353.4 h3.07; Mechanical 7 "128" at 136.527,2353.4 h3.07; Mechanical 7 "124" at 132.446,2353.4 h3.07; Mechanical 7 "120" at 128.527,2353.4 h3.07; Mechanical 7 "116" at 124.689,2353.4 h3.07; Mechanical 7 "112" at 120.689,2353.4 h3.07; Mechanical 7 "108" at 116.527,2353.4 h3.07; Mechanical 7 "104" at 112.446,2353.4 h3.07; Mechanical 7 "100" at 108.527,2353.4 h3.07; Mechanical 7 "96" at 104.931,2353.4 h3.07; Mechanical 7 "92" at 100.931,2353.4 h3.07; Mechanical 7 "88" at 96.931,2353.4 h3.07; Mechanical 7 "84" at 92.85,2353.4 h3.07; Mechanical 7 "80" at 88.931,2353.4 h3.07; Mechanical 7 "76" at 84.931,2353.4 h3.07; Mechanical 7 "72" at 80.931,2353.4 h3.07; Mechanical 7 "68" at 76.931,2353.4 h3.07; Mechanical 7 "64" at 72.85,2353.4 h3.07; Mechanical 7 "60" at 68.931,2353.4 h3.07; Mechanical 7 "56" at 64.931,2353.4 h3.07; Mechanical 7 "52" at 60.931,2353.4 h3.07; Mechanical 7 "48" at 56.85,2353.4 h3.07; Mechanical 7 "44" at 52.769,2353.4 h3.07; Mechanical 7 "40" at 48.85,2353.4 h3.07; Mechanical 7 "36" at 44.931,2353.4 h3.07; Mechanical 7 "32" at 40.931,2353.4 h3.07; Mechanical 7 "28" at 36.931,2353.4 h3.07; Mechanical 7 "24" at 32.85,2353.4 h3.07; Mechanical 7 "20" at 28.931,2353.4 h3.07; Mechanical 7 "16" at 25.093,2353.4 h3.07; Mechanical 7 "12" at 21.093,2353.4 h3.07; Mechanical 7 "8" at 17.496,2353.4 h3.07; Mechanical 7 "4" at 13.415,2353.4 h3.07; Mechanical 7 "0" at 9.496,2353.4 h3.07; Mechanical 7 "88" at 3.962,2260.893 h3.07; Mechanical 7 "84" at 3.8,2264.893 h3.07; Mechanical 7 "80" at 3.962,2268.893 h3.07; Mechanical 7 "76" at 3.962,2272.893 h3.07; Mechanical 7 "72" at 3.962,2276.893 h3.07; Mechanical 7 "68" at 3.962,2280.893 h3.07; Mechanical 7 "64" at 3.8,2284.893 h3.07; Mechanical 7 "60" at 3.962,2288.893 h3.07; Mechanical 7 "56" at 3.962,2292.893 h3.07; Mechanical 7 "52" at 3.962,2296.893 h3.07; Mechanical 7 "48" at 3.8,2300.893 h3.07; Mechanical 7 "44" at 3.638,2304.893 h3.07; Mechanical 7 "40" at 3.8,2308.893 h3.07; Mechanical 7 "36" at 3.962,2312.893 h3.07; Mechanical 7 "32" at 3.962,2316.893 h3.07; Mechanical 7 "28" at 3.962,2320.893 h3.07; Mechanical 7 "24" at 3.8,2324.893 h3.07; Mechanical 7 "20" at 3.962,2328.893 h3.07; Mechanical 7 "16" at 4.286,2332.893 h3.07; Mechanical 7 "12" at 4.286,2336.893 h3.07; Mechanical 7 "8" at 5.093,2340.893 h3.07; Mechanical 7 "4" at 4.931,2344.893 h3.07; Mechanical 7 "0" at 5.093,2348.893 h3.07
Designator1: Mechanical 7 "А(1)" at 67.414,2490.825 h15.36; Mechanical 7 "132" at 138.627,2390.325 h3.07; Mechanical 7 "128" at 134.627,2390.325 h3.07; Mechanical 7 "124" at 130.546,2390.325 h3.07; Mechanical 7 "120" at 126.627,2390.325 h3.07; Mechanical 7 "116" at 122.789,2390.325 h3.07; Mechanical 7 "112" at 118.789,2390.325 h3.07; Mechanical 7 "108" at 114.627,2390.325 h3.07; Mechanical 7 "104" at 110.546,2390.325 h3.07; Mechanical 7 "100" at 106.627,2390.325 h3.07; Mechanical 7 "96" at 103.031,2390.325 h3.07; Mechanical 7 "92" at 99.031,2390.325 h3.07; Mechanical 7 "88" at 95.031,2390.325 h3.07; Mechanical 7 "84" at 90.95,2390.325 h3.07; Mechanical 7 "80" at 87.031,2390.325 h3.07; Mechanical 7 "76" at 83.031,2390.325 h3.07; Mechanical 7 "72" at 79.031,2390.325 h3.07; Mechanical 7 "68" at 75.031,2390.325 h3.07; Mechanical 7 "64" at 70.95,2390.325 h3.07; Mechanical 7 "60" at 67.031,2390.325 h3.07; Mechanical 7 "56" at 63.031,2390.325 h3.07; Mechanical 7 "52" at 59.031,2390.325 h3.07; Mechanical 7 "48" at 54.95,2390.325 h3.07; Mechanical 7 "44" at 50.869,2390.325 h3.07; Mechanical 7 "40" at 46.95,2390.325 h3.07; Mechanical 7 "36" at 43.031,2390.325 h3.07; Mechanical 7 "32" at 39.031,2390.325 h3.07; Mechanical 7 "28" at 35.031,2390.325 h3.07; Mechanical 7 "24" at 30.95,2390.325 h3.07; Mechanical 7 "20" at 27.031,2390.325 h3.07; Mechanical 7 "16" at 23.193,2390.325 h3.07; Mechanical 7 "12" at 19.193,2390.325 h3.07; Mechanical 7 "8" at 15.596,2390.325 h3.07; Mechanical 7 "4" at 11.515,2390.325 h3.07; Mechanical 7 "0" at 7.596,2390.325 h3.07; Mechanical 7 "88" at 2.062,2484.018 h3.07; Mechanical 7 "84" at 1.9,2480.018 h3.07; Mechanical 7 "80" at 2.062,2476.018 h3.07; Mechanical 7 "76" at 2.062,2472.018 h3.07; Mechanical 7 "72" at 2.062,2468.018 h3.07; Mechanical 7 "68" at 2.062,2464.018 h3.07; Mechanical 7 "64" at 1.9,2460.018 h3.07; Mechanical 7 "60" at 2.062,2456.018 h3.07; Mechanical 7 "56" at 2.062,2452.018 h3.07; Mechanical 7 "52" at 2.062,2448.018 h3.07; Mechanical 7 "48" at 1.9,2444.018 h3.07; Mechanical 7 "44" at 1.738,2440.018 h3.07; Mechanical 7 "40" at 1.9,2436.018 h3.07; Mechanical 7 "36" at 2.062,2432.018 h3.07; Mechanical 7 "32" at 2.062,2428.018 h3.07; Mechanical 7 "28" at 2.062,2424.018 h3.07; Mechanical 7 "24" at 1.9,2420.018 h3.07; Mechanical 7 "20" at 2.062,2416.018 h3.07; Mechanical 7 "16" at 2.386,2412.018 h3.07; Mechanical 7 "12" at 2.386,2408.018 h3.07; Mechanical 7 "8" at 3.193,2404.018 h3.07; Mechanical 7 "4" at 3.031,2400.018 h3.07; Mechanical 7 "0" at 3.193,2396.018 h3.07
Designator1: Mechanical 7 "Б(1)" at 274.969,2377.92 h15.36; Mechanical 7 "Слой маркировки" at 253.31,2366.2 h10.72; Mechanical 12 "R15" at 281.413,2268.993 h2 r180; Mechanical 12 "R23" at 240.473,2275.841 h2 r180; Mechanical 12 "VT3" at 278.251,2281.826 h2 r90; Mechanical 12 "VD1" at 338.976,2292.739 h2 r90; Mechanical 12 "С5" at 324.976,2297.631 h2 r90; Mechanical 12 "C13" at 299.028,2283.23 h2 r90; Mechanical 12 "С11" at 294.14,2267.418 h2 r180; Mechanical 12 "R10" at 284.026,2285.432 h2 r180; Mechanical 12 "R13" at 277.254,2269.018 h2 r180; Mechanical 12 "R11" at 276.826,2279.623 h2 r90; Mechanical 12 "VT2" at 278.351,2275.526 h2 r90; Mechanical 12 "R22" at 227.651,2271.342 h2 r90; Mechanical 12 "R24" at 231.451,2299.659 h2 r90; Mechanical 12 "D4" at 332.676,2308.889 h2 r90; Mechanical 12 "С4" at 321.326,2278.673 h2 r90; Mechanical 12 "R14" at 283.602,2274.049 h2 r180; Mechanical 12 "R12" at 279.365,2274.011 h2 r180; Mechanical 12 "Z2" at 268.209,2339.553 h2 r180; Mechanical 12 "D3" at 324.286,2282.167 h2 r90; Mechanical 12 "С7" at 331.976,2303.631 h2 r90; Mechanical 12 "С8" at 322.416,2313.723 h2 r180; Mechanical 12 "С9" at 320.081,2313.703 h2 r180; Mechanical 12 "С12" at 291.944,2267.418 h2 r180; Mechanical 12 "U1" at 289.159,2272.673 h2 r180; Mechanical 12 "С14" at 287.078,2282.971 h2 r90; Mechanical 12 "VT7" at 234.951,2307.301 h2 r90; Mechanical 12 "С6" at 331.976,2301.331 h2 r90; Mechanical 12 "R6" at 330.434,2296.878 h2 r180; Mechanical 12 "L1" at 328.276,2276.845 h2 r90; Mechanical 12 "R7" at 319.934,2302.103 h2 r180; Mechanical 12 "С10" at 295.944,2279.778 h2 r180
Designator1: Mechanical 7 "А(1)" at 273.464,2500.17 h15.36; Mechanical 7 "Слой маркировки" at 252.21,2488.45 h10.72; Mechanical 12 "CLK" at 255.63,2455.069 h1 r270; Mechanical 12 "3V3" at 243.422,2472.545 h1; Mechanical 12 "SD3" at 253.08,2455.069 h1 r270; Mechanical 12 "IO17" at 265.662,2461.09 h1; Mechanical 12 "BOOT" at 270.85,2477.65 h2; Mechanical 12 "GND" at 265.672,2473.77 h1; Mechanical 12 "IO16" at 265.69,2459.846 h1; Mechanical 12 "RX / >>" at 269.288,2469.765 h2; Mechanical 12 "RX0" at 265.672,2468.72 h1; Mechanical 12 "IO32" at 243.422,2464.895 h1; Mechanical 12 "EN" at 243.422,2471.27 h1; Mechanical 12 "IO2" at 260.711,2455.069 h1 r270; Mechanical 12 "IO25" at 243.429,2462.352 h1; Mechanical 12 "GND" at 243.322,2473.795 h1; Mechanical 12 "IO4" at 265.68,2458.551 h1; Mechanical 12 "IO21" at 265.672,2467.445 h1; Mechanical 12 "IO19" at 265.672,2464.895 h1; Mechanical 12 "IO14" at 243.43,2458.559 h1; Mechanical 12 "IO35" at 243.422,2466.17 h1; Mechanical 12 "TX / <<" at 269.292,2472.465 h2; Mechanical 12 "IO12" at 243.43,2457.283 h1; Mechanical 12 "IO34" at 243.422,2467.435 h1; Mechanical 12 "VN" at 243.429,2468.715 h1; Mechanical 12 "SD1" at 258.161,2455.069 h1 r270; Mechanical 12 "VP" at 243.422,2469.97 h1; Mechanical 12 "IO15" at 259.411,2455.069 h1 r270; Mechanical 12 "IO18" at 265.672,2463.645 h1; Mechanical 12 "IO5" at 265.647,2462.37 h1; Mechanical 12 "IO23" at 265.697,2472.495 h1; Mechanical 12 "SD0" at 256.899,2455.075 h1 r270; Mechanical 12 "GND" at 249.261,2455.062 h1 r270; Mechanical 12 "IO13" at 250.53,2455.069 h1 r270; Mechanical 12 "IO22" at 265.672,2471.245 h1; Mechanical 12 "IO0" at 265.662,2457.284 h1; Mechanical 12 "NC" at 265.672,2466.17 h1; Mechanical 12 "IO26" at 243.422,2461.12 h1; Mechanical 12 "SD2" at 251.805,2455.069 h1 r270; Mechanical 12 "IO27" at 243.435,2459.825 h1; Mechanical 12 "RESET" at 279.591,2477.55 h2; Mechanical 12 "TX0" at 265.672,2469.97 h1; Mechanical 12 "IO33" at 243.422,2463.645 h1; Mechanical 12 "CMD" at 254.347,2455.065 h1 r270; Mechanical 12 "HA1" at 245.396,2454.124 h2; Mechanical 12 "D2" at 311.17,2451.611 h2; Mechanical 12 "D5" at 262.266,2418.324 h2; Mechanical 12 "SB5" at 238.945,2471.324 h2; Mechanical 12 "RP1" at 229.424,2445.449 h2; Mechanical 12 "R5" at 315.224,2455.109 h2 r270; Mechanical 12 "GB1" at 315.688,2408.602 h1.52 r270; Mechanical 12 "X4" at 287.924,2397.414 h2 r270; Mechanical 12 "DS1" at 259.524,2437.851 h2 r270; Mechanical 12 "HL2" at 313.797,2464.299 h2; Mechanical 12 "X1" at 300.124,2482.257 h2 r270; Mechanical 12 "R3" at 300.766,2456.699 h2; Mechanical 12 "R25" at 288.919,2478.245 h2; Mechanical 12 "R16" at 292.303,2458.524 h2; Mechanical 12 "GB2" at 291.445,2439.624 h2; Mechanical 12 "R8" at 279.773,2474.841 h2; Mechanical 12 "R9" at 279.766,2468.899 h2; Mechanical 12 "HL4" at 275.665,2474.861 h2; Mechanical 12 "HL5" at 275.822,2468.849 h2; Mechanical 12 "X2" at 263.913,2453.824 h2; Mechanical 12 "K2" at 269.966,2424.024 h2; Mechanical 12 "U2" at 249.766,2430.224 h2; Mechanical 12 "U3" at 246.024,2442.834 h2 r270; Mechanical 12 "SB4" at 225.149,2460.009 h2 r270; Mechanical 12 "HG1" at 223.949,2414.024 h2; Mechanical 12 "HL1" at 313.902,2455.699 h2; Mechanical 12 "D1" at 306.253,2463.517 h2; Mechanical 12 "VT1" at 305.896,2446.824 h2; Mechanical 12 "С1" at 300.79,2465.169 h2; Mechanical 12 "R4" at 300.524,2454.262 h2 r270; Mechanical 12 "R26" at 291.229,2473.48 h2; Mechanical 12 "VT4" at 289.639,2454.824 h2; Mechanical 12 "R18" at 292.274,2446.76 h2; Mechanical 12 "R19" at 288.674,2446.76 h2; Mechanical 12 "XS1" at 281.996,2449.524 h2; Mechanical 12 "X7" at 265.624,2434.487 h2 r270; Mechanical 12 "X5" at 268.124,2397.762 h2 r270; Mechanical 12 "R20" at 305.324,2422.428 h2 r270; Mechanical 12 "R17" at 284.908,2454.612 h2 r270; Mechanical 12 "R21" at 285.665,2422.655 h2 r270; Mechanical 12 "R2" at 311.731,2464.346 h2; Mechanical 12 "VT5" at 307.224,2418.408 h2 r270; Mechanical 12 "VD2" at 307.324,2412.008 h2 r270; Mechanical 12 "X3" at 295.313,2456.524 h2; Mechanical 12 "K1" at 289.67,2424.024 h2; Mechanical 12 "VT6" at 287.524,2418.383 h2 r270; Mechanical 12 "VD3" at 287.524,2412.108 h2 r270; Mechanical 12 "Z1" at 285.17,2464.924 h2; Mechanical 12 "J1" at 283.325,2474.624 h2; Mechanical 12 "D6" at 244.924,2481.834 h2 r270; Mechanical 12 "+" at 242.941,2453.247 h1.27 r269.98; Mechanical 12 "SB3" at 238.124,2407.855 h2 r270; Mechanical 12 "R1" at 311.87,2455.749 h2; Mechanical 12 "С2" at 309.324,2454.356 h2 r270; Mechanical 12 "С3" at 305.874,2456.656 h2 r270; Mechanical 12 "X6" at 272.663,2475.309 h2
Designator1: Mechanical 12 "есть" at -114.607,2313.061 h7.68; Mechanical 12 "3,1" at -149.88,2313.061 h7.68; Mechanical 12 "4" at -81.362,2313.061 h7.68; Mechanical 12 "есть" at -114.607,2324.881 h7.68; Mechanical 12 "2,5" at -150.282,2324.881 h7.68; Mechanical 12 "2" at -81.16,2324.881 h7.68; Mechanical 12 "есть" at -114.607,2334.181 h7.68; Mechanical 12 "2,4" at -150.484,2334.181 h7.68; Mechanical 12 "2" at -81.16,2334.181 h7.68; Mechanical 12 "есть" at -114.607,2342.981 h7.68; Mechanical 12 "2,0" at -150.282,2342.981 h7.68; Mechanical 12 "4" at -81.362,2342.981 h7.68; Mechanical 12 "есть" at -114.607,2351.681 h7.68; Mechanical 12 "1,6" at -149.876,2351.681 h7.68; Mechanical 12 "10" at -82.169,2351.681 h7.68; Mechanical 12 "есть" at -114.607,2359.781 h7.68; Mechanical 12 "1,3" at -149.876,2359.781 h7.68; Mechanical 12 "12" at -82.169,2359.781 h7.68; Mechanical 12 "есть" at -114.607,2367.781 h7.68; Mechanical 12 "1,2" at -149.876,2367.781 h7.68; Mechanical 12 "4" at -81.362,2367.781 h7.68; Mechanical 12 "есть" at -114.607,2375.781 h7.68; Mechanical 12 "1,1" at -149.475,2375.781 h7.68; Mechanical 12 "4" at -81.362,2375.781 h7.68; Mechanical 12 "есть" at -114.607,2383.781 h7.68; Mechanical 12 "1,0" at -149.876,2383.781 h7.68; Mechanical 12 "95" at -82.574,2383.781 h7.68; Mechanical 12 "есть" at -114.607,2391.781 h7.68; Mechanical 12 "0,8" at -150.282,2391.781 h7.68; Mechanical 12 "2" at -81.16,2391.781 h7.68; Mechanical 12 "переходное" at -195.393,2399.781 h7.68; Mechanical 12 "есть" at -114.607,2399.781 h7.68; Mechanical 12 "0,6" at -150.282,2399.781 h7.68; Mechanical 12 "3" at -81.16,2399.781 h7.68; Mechanical 12 "переходное" at -195.393,2407.781 h7.68; Mechanical 12 "есть" at -114.607,2407.781 h7.68; Mechanical 12 "0,3" at -150.282,2407.781 h7.68; Mechanical 12 "219" at -83.584,2407.781 h7.68; Mechanical 12 "отв." at -85.002,2415.531 h7.68; Mechanical 12 "Кол." at -84.8,2423.031 h7.68; Mechanical 12 "металлизации" at -126.835,2415.531 h7.68; Mechanical 12 "Наличие" at -119.053,2423.031 h7.68; Mechanical 12 "мм" at -149.98,2415.531 h7.68; Mechanical 12 "Диаметр отв.," at -165.041,2423.031 h7.68; Mechanical 12 "отв." at -190.002,2415.531 h7.68; Mechanical 12 "Обозначение" at -200.61,2423.031 h7.68
HA1: Top Overlay "+" at 28.891,58.797 h1.27 r269.98